# Altium PCB HTBBMSALL4G.PcbDoc (part 1 of 4)
Units mm, origin at the board's own origin, x right, y up, seen from the top; angles counter-clockwise.
Board outline 80.2 x 36.15 mm, 4 copper layers (Top Layer, SIG02, SIG03, Bottom Layer), stack 0.603 mm thick; 186 components, 121 nets, 547 pads, 871 vias.
Unrouted connection lines stored in the file: 10.
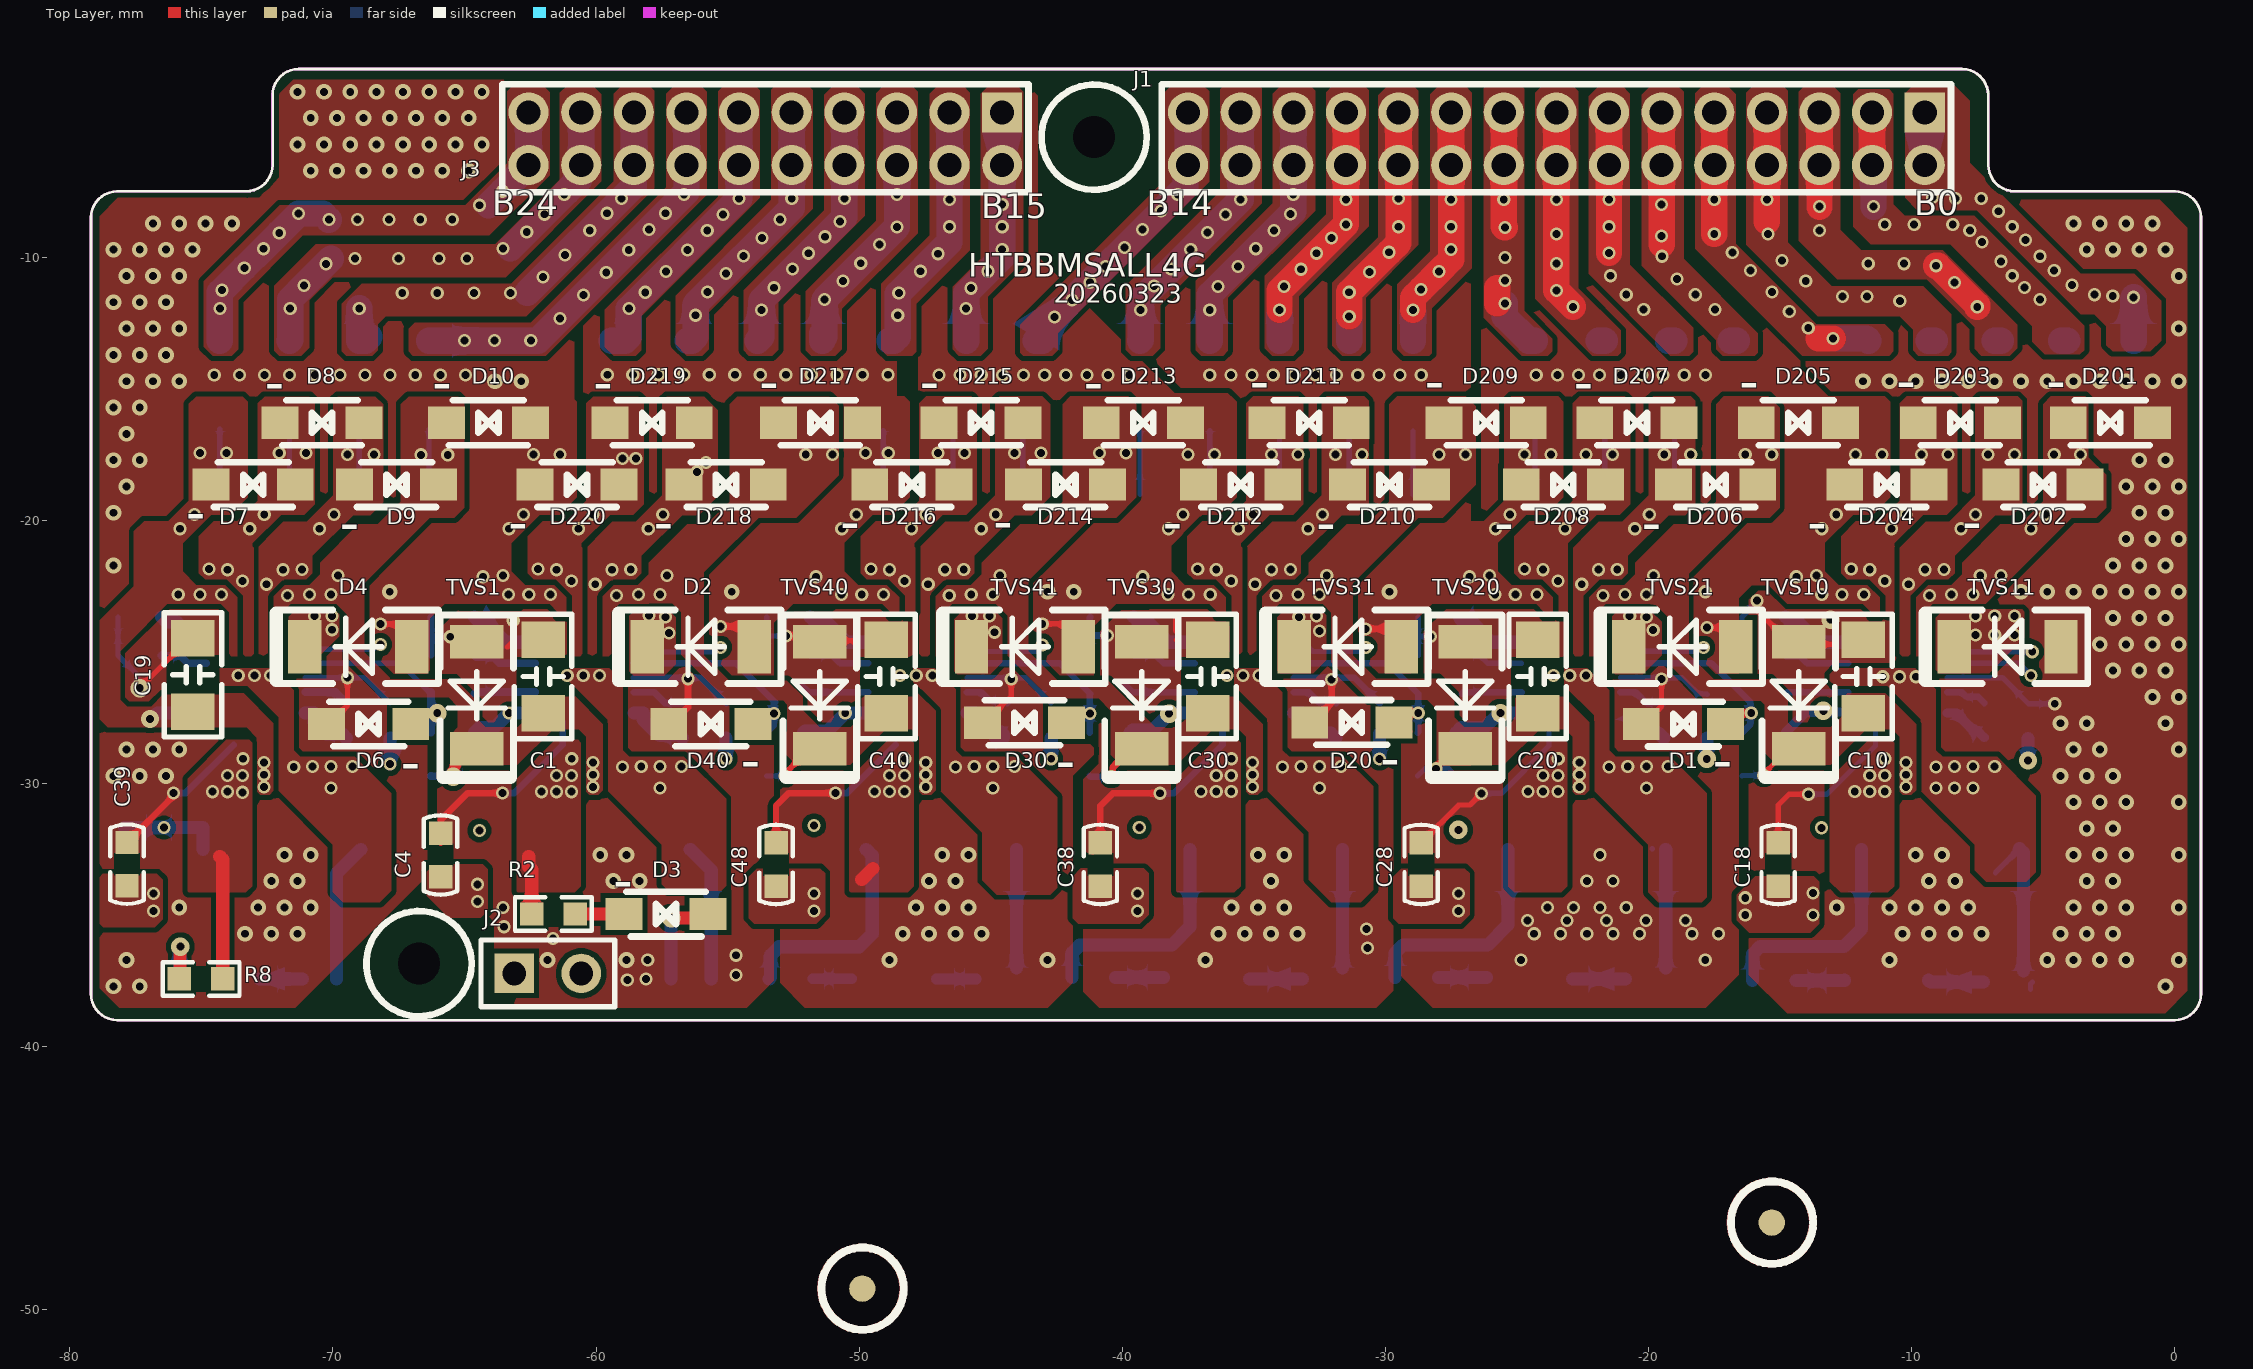
[diagram p0: Top Layer view]
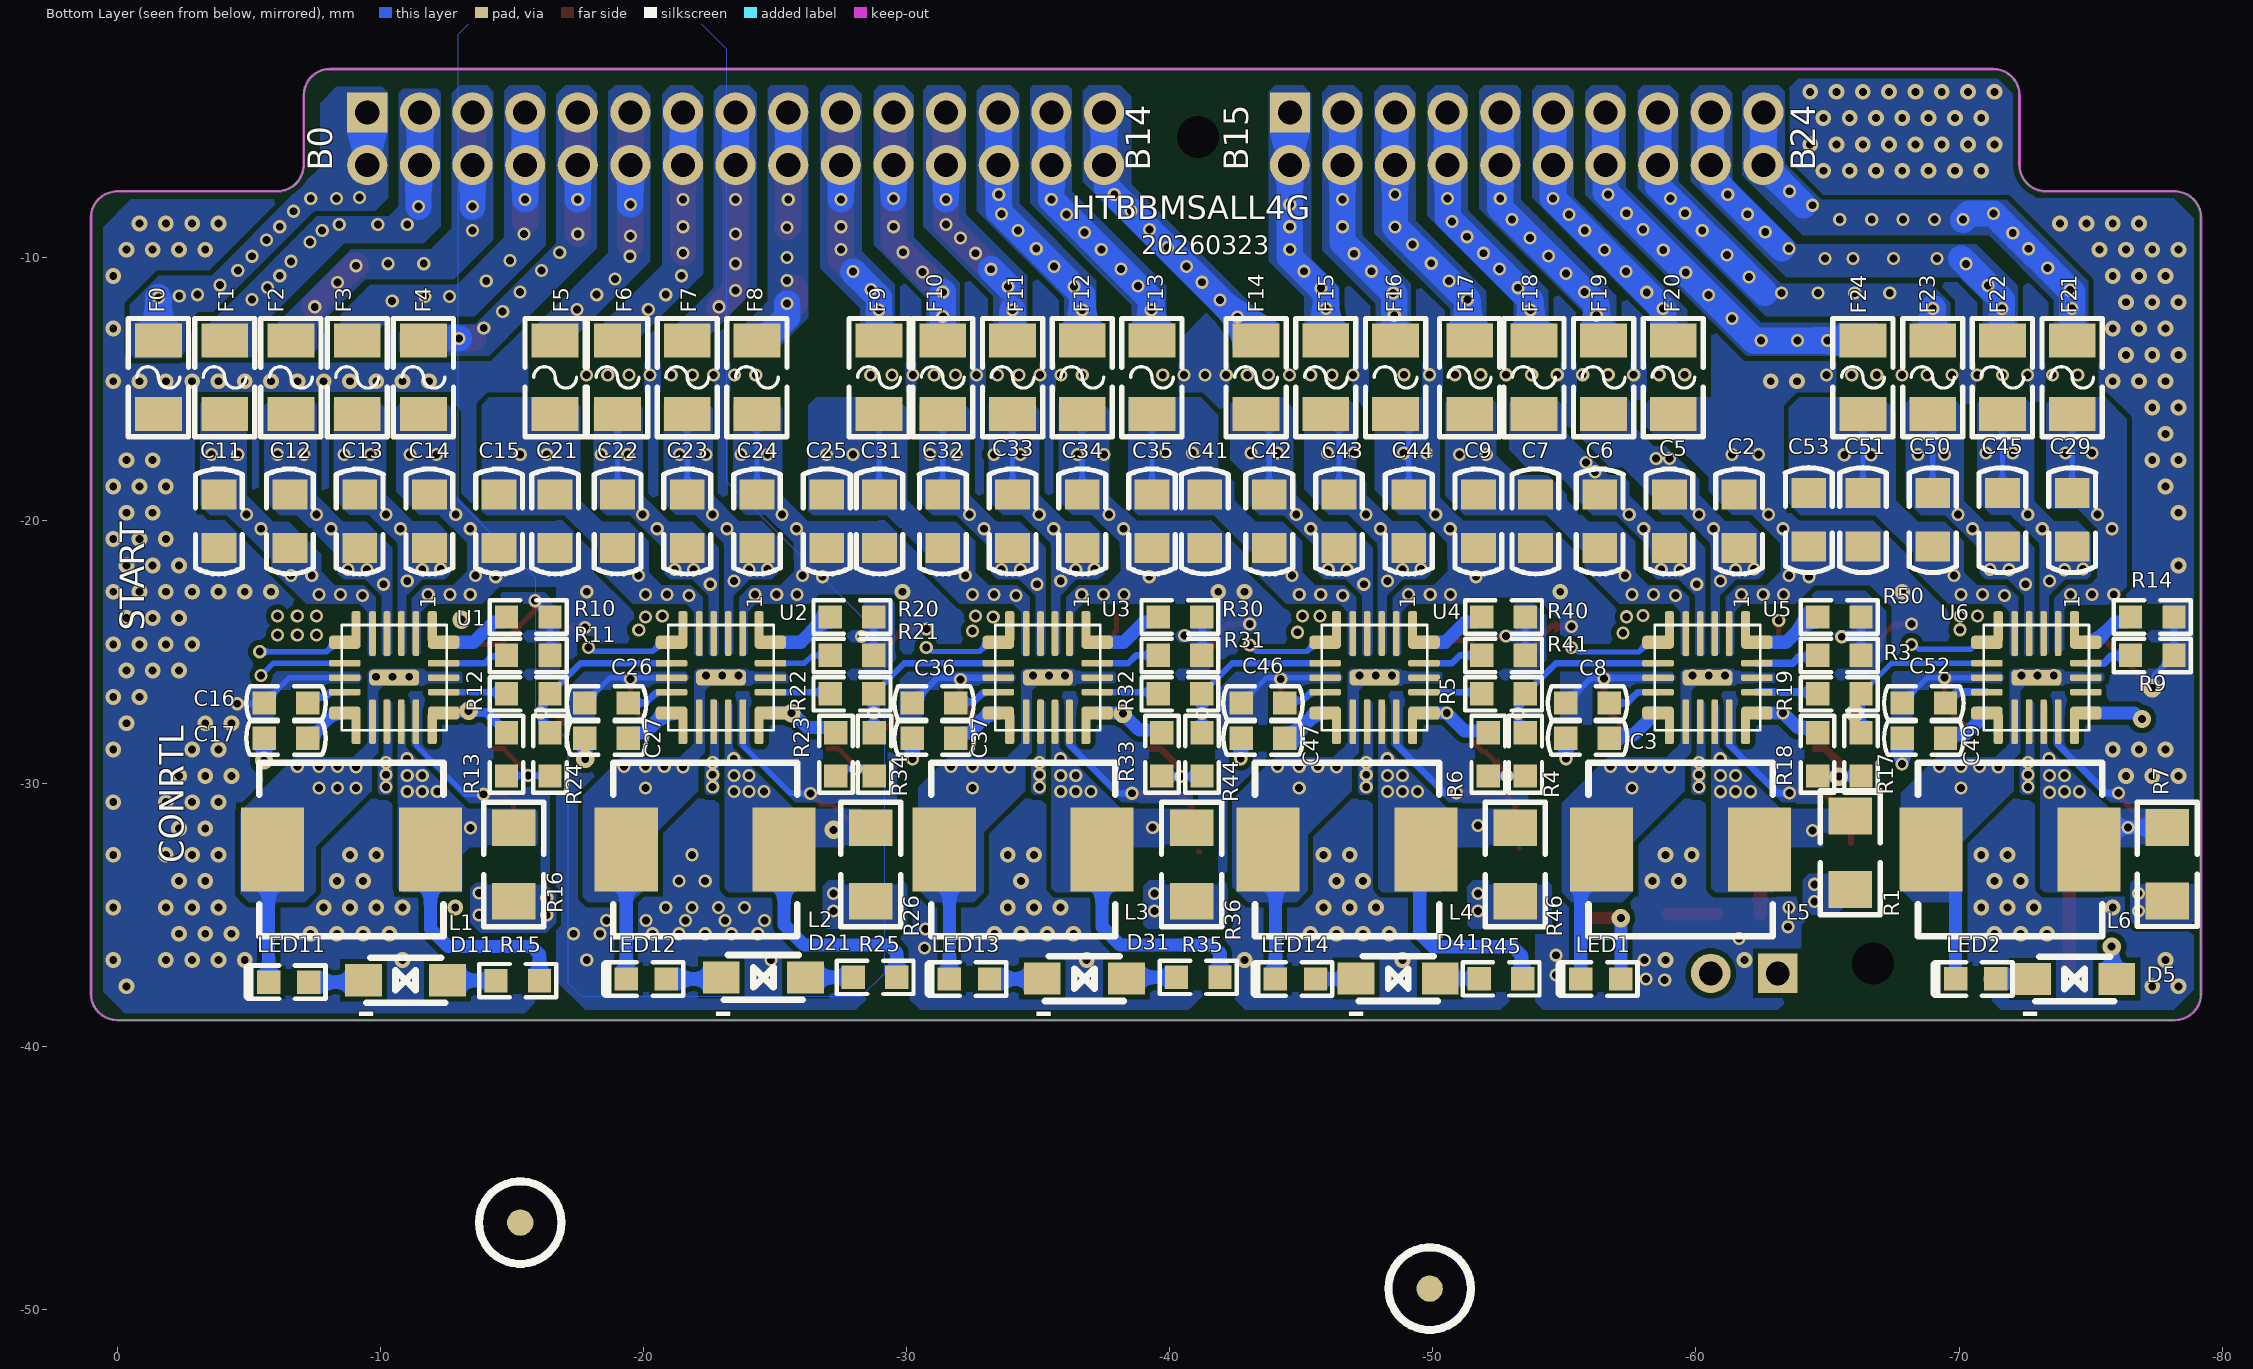
[diagram p1: Bottom Layer view, seen from below]
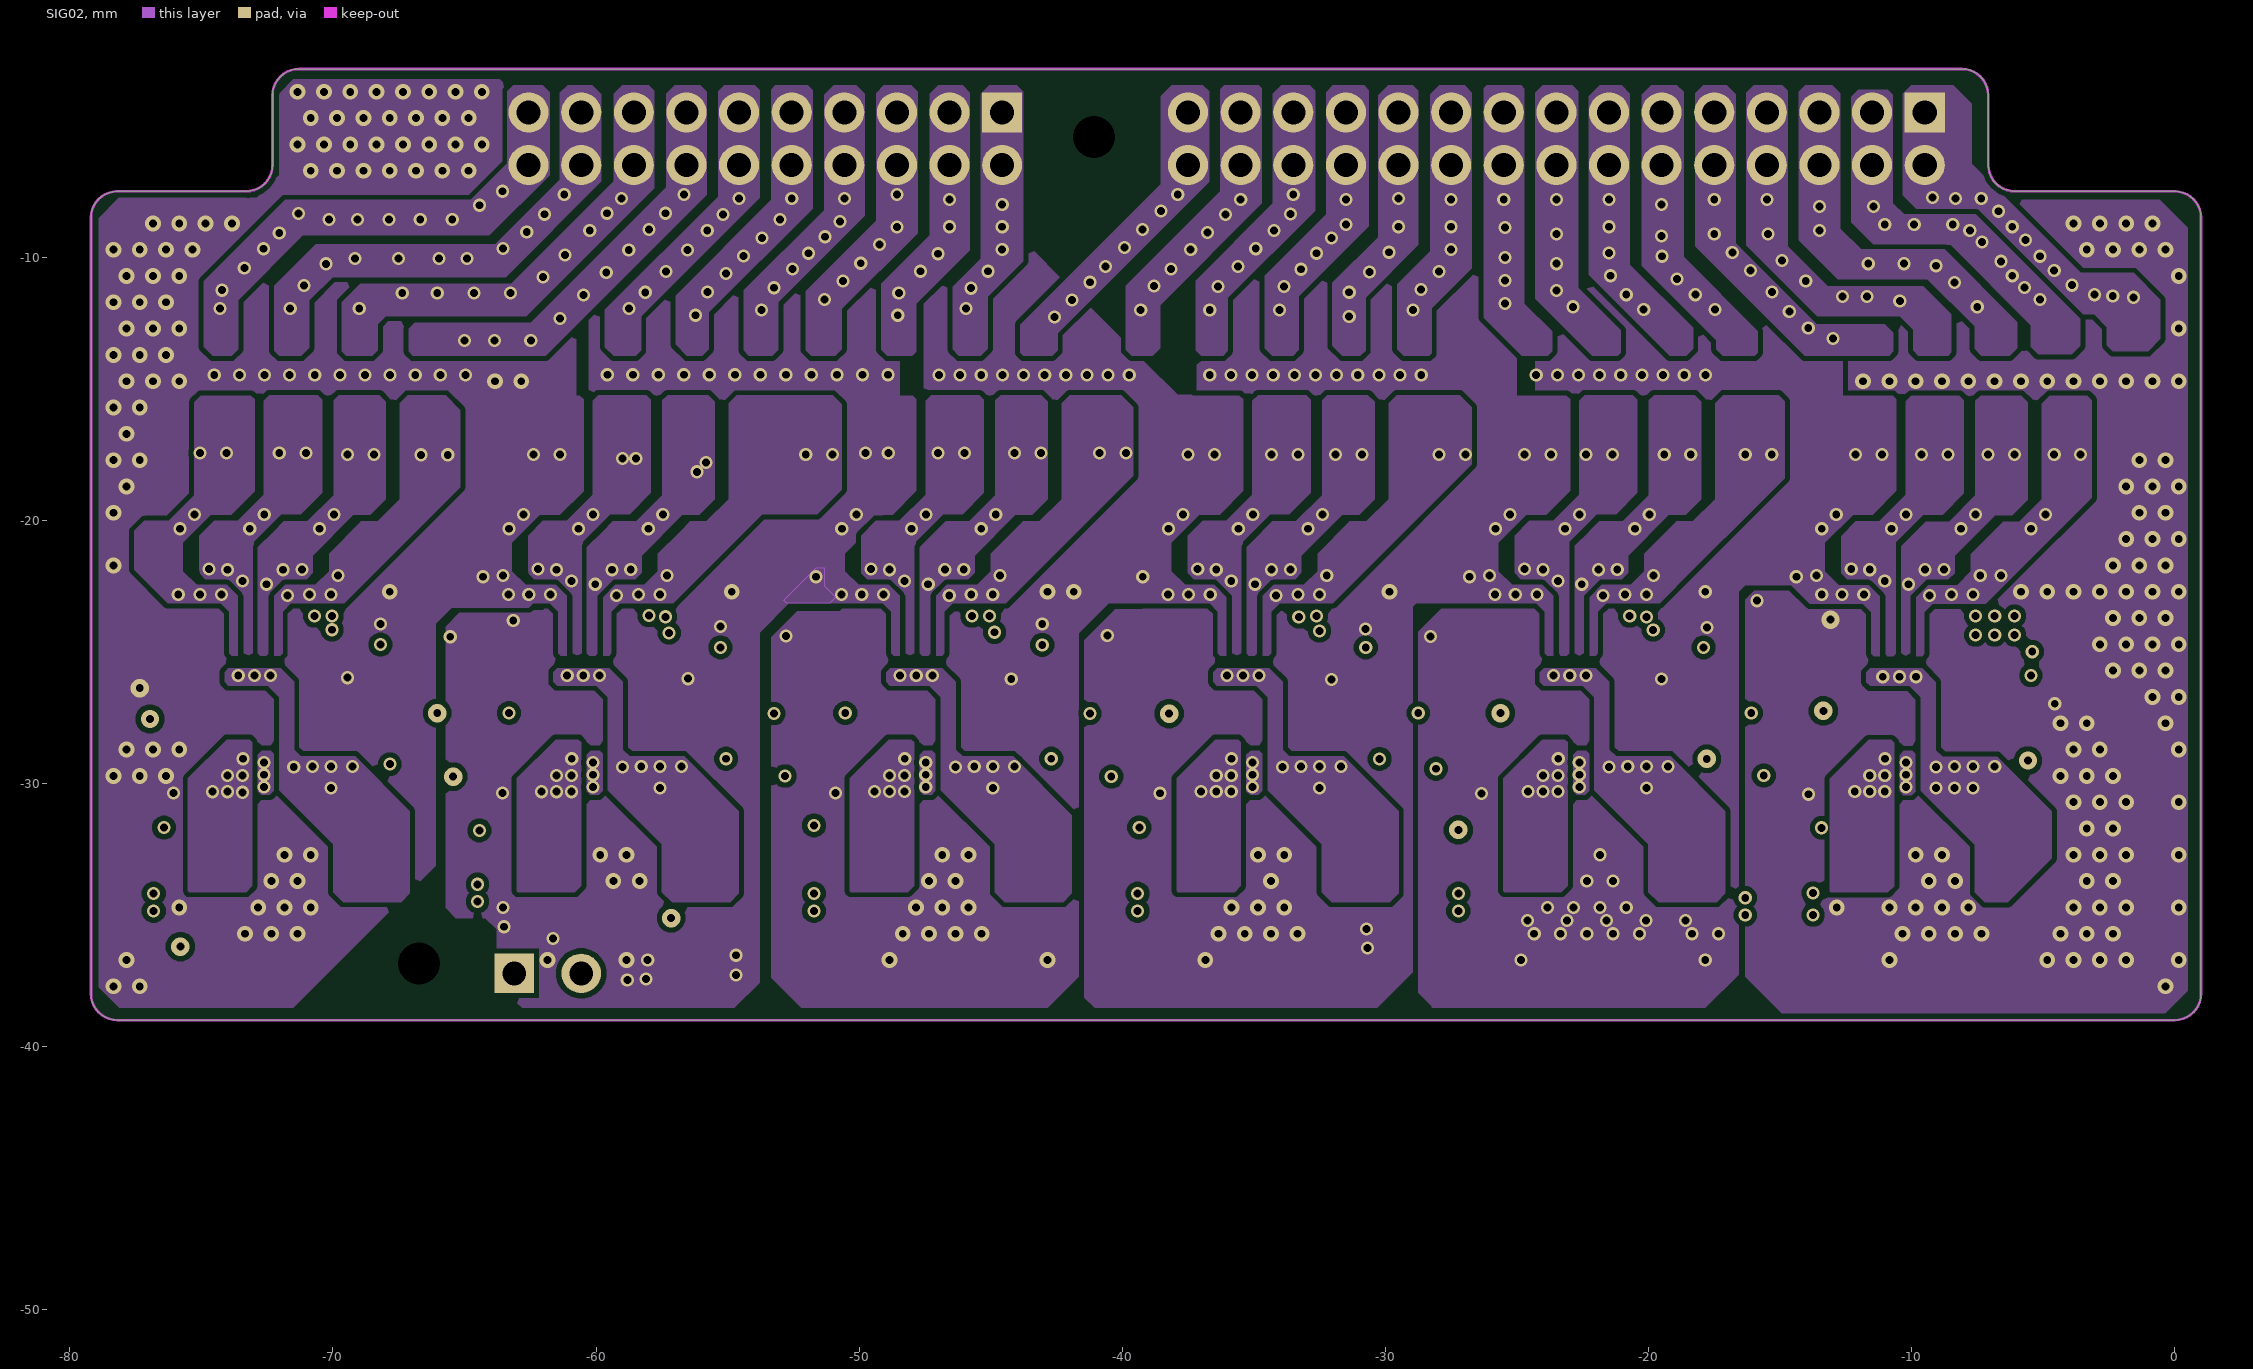
[diagram p2: SIG02]
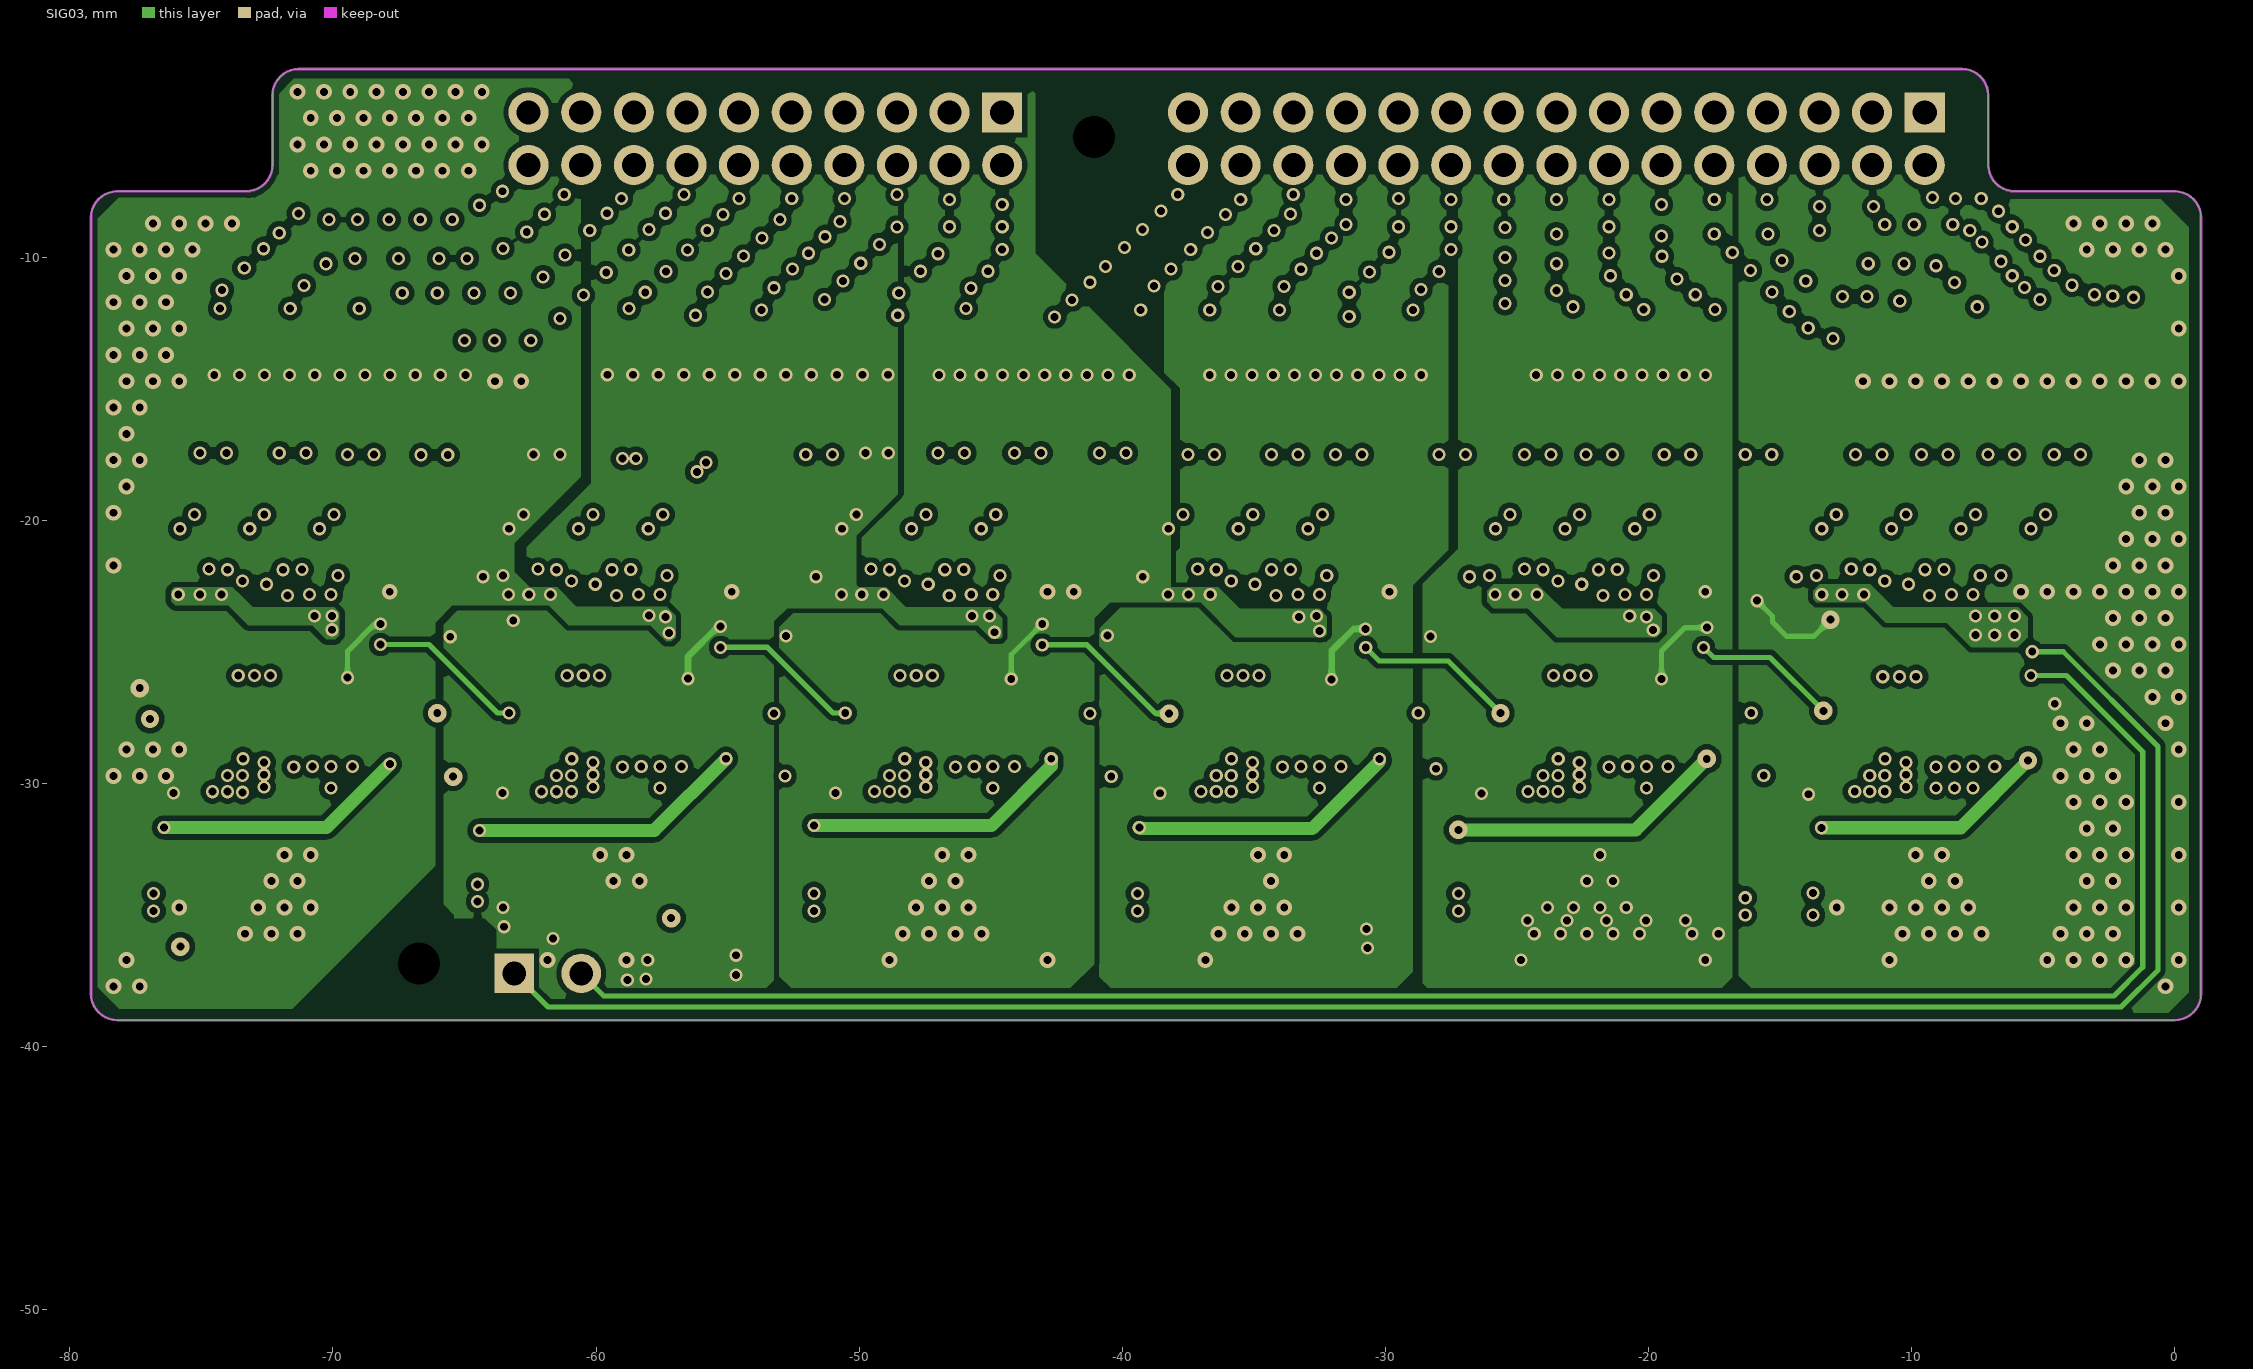
[diagram p3: SIG03]
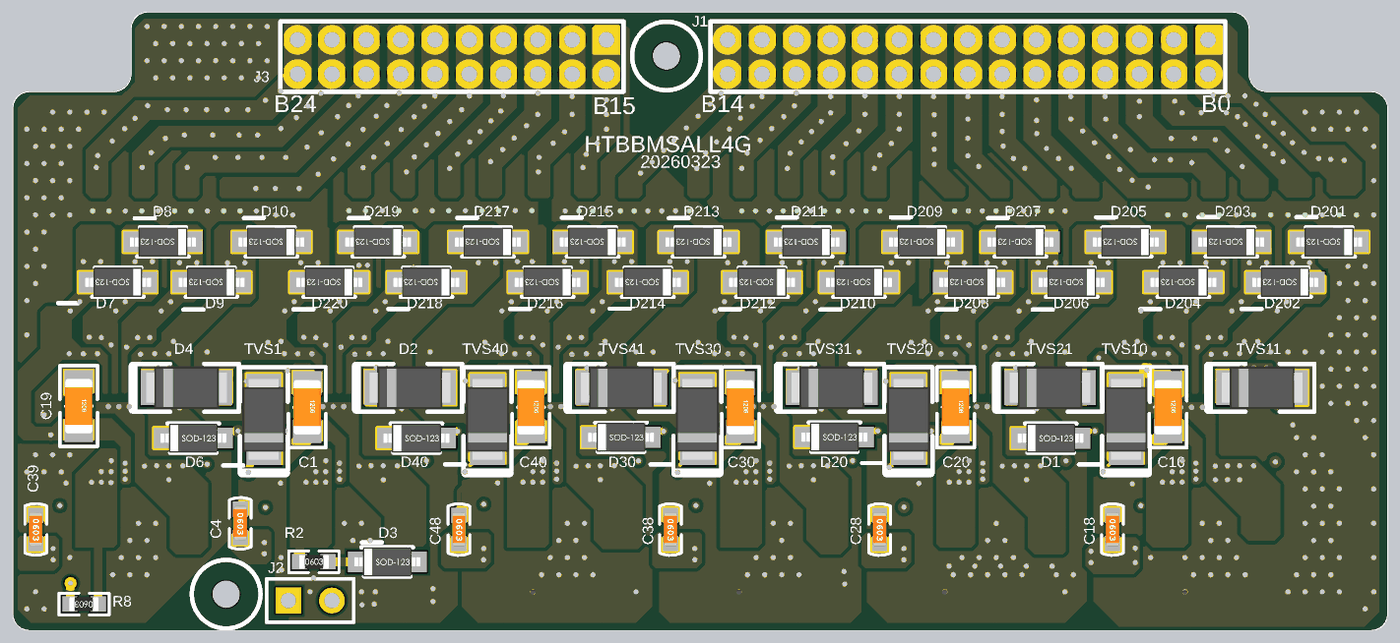
[diagram p7: 3D render of the assembled board from above, using the file's embedded part models]
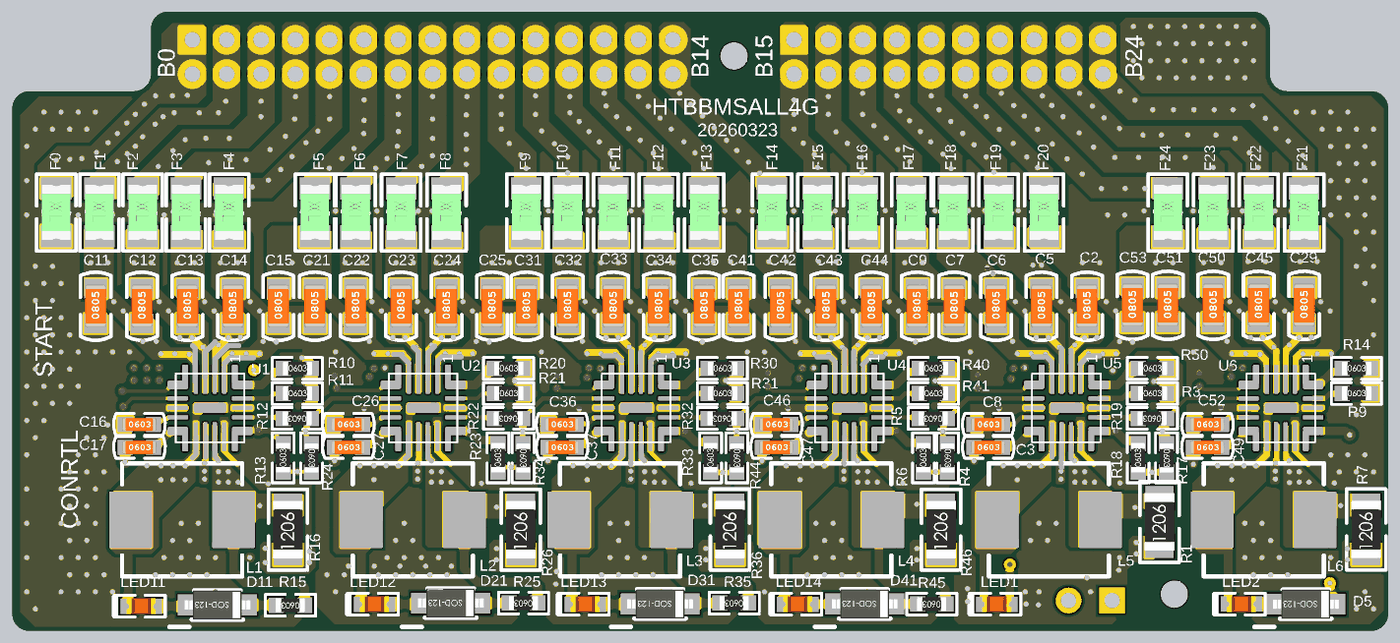
[diagram p8: 3D render of the assembled board from below, using the file's embedded part models]

## Layer stack, top to bottom
Top Solder: solder mask 0.0102, Solder Resist, Dk 3.5
Top Layer: signal copper 0.0356
Dielectric 2: prepreg 0.0711, PP-006, Dk 4.1
SIG02: signal copper 0.035
Dielectric 1: dielectric 0.32, FR-4, Dk 4.8
SIG03: signal copper 0.035
Dielectric 3: prepreg 0.0711, PP-006, Dk 4.1
Bottom Layer: signal copper 0.0356
Bottom Solder: solder mask 0.0102, Solder Resist, Dk 3.5

## Board outline
-79.197,-38 ccw(c-78.197,-38) -78.197,-39 0,-39 ccw(c0,-38) 1,-38 1,-8.5 ccw(c-0.002,-8.5) -0.002,-7.498 -6.083,-7.498 cw(c-6.083,-6.496) -7.085,-6.496 -7.085,-3.851 ccw(c-8.085,-3.851) -8.085,-2.851 -71.297,-2.851 ccw(c-71.297,-3.851) -72.297,-3.851 -72.297,-6.496 cw(c-73.299,-6.496) -73.299,-7.498 -78.195,-7.498 ccw(c-78.195,-8.5) -79.197,-8.5

## Design rules (kind name [scope] priority, off if disabled: settings)
Clearance [All] p1: gap=0.2 ignorepadtopadclearanceinfootprint=FALSE
HoleToHoleClearance [All] p1: gap=0.1 allowstackedmicrovias=TRUE
MinimumSolderMaskSliver [All] p1: minsoldermaskwidth=0
PolygonConnect [All] p1: connectstyle=Direct reliefconductorwidth=0.254 reliefentries=4 polygonreliefangle="90 Angle" airgapwidth=0.254
RoutingVias [All] p1: holewidth=0.3 width=0.7 viastyle="Through Hole" minholewidth=0.3 minwidth=0.7 maxholewidth=0.3 maxwidth=0.7
SilkToSilkClearance [All] p1: silktosilkclearance=0
SilkToSolderMaskClearance [IsPad] p1: minsilkscreentomaskgap=0 clearancetoexposedcopper=TRUE
SolderMaskExpansion [All] p1: expansion=0.102 istentingtop=FALSE
SupplyNets "Schematic Supply Nets_24" [InNet('N22')] p1: voltage=0.000
SupplyNets "Schematic Supply Nets_23" [InNet('N23')] p2: voltage=0.000
SupplyNets "Schematic Supply Nets_22" [InNet('N21')] p3: voltage=0.000
SupplyNets "Schematic Supply Nets_21" [InNet('N24')] p4: voltage=0.000
SupplyNets "Schematic Supply Nets_20" [InNet('N17')] p5: voltage=0.000
SupplyNets "Schematic Supply Nets_19" [InNet('N10')] p6: voltage=0.000
SupplyNets "Schematic Supply Nets_18" [InNet('N8')] p7: voltage=0.000
SupplyNets "Schematic Supply Nets_17" [InNet('N11')] p8: voltage=0.000
SupplyNets "Schematic Supply Nets_16" [InNet('N19')] p9: voltage=0.000
SupplyNets "Schematic Supply Nets_15" [InNet('N6')] p10: voltage=0.000
SupplyNets "Schematic Supply Nets_14" [InNet('N18')] p11: voltage=0.000
SupplyNets "Schematic Supply Nets_13" [InNet('N1')] p12: voltage=0.000
SupplyNets "Schematic Supply Nets_12" [InNet('N2')] p13: voltage=0.000
SupplyNets "Schematic Supply Nets_11" [InNet('N4')] p14: voltage=0.000
SupplyNets "Schematic Supply Nets_10" [InNet('N13')] p15: voltage=0.000
SupplyNets "Schematic Supply Nets_9" [InNet('N7')] p16: voltage=0.000
SupplyNets "Schematic Supply Nets_8" [InNet('N12')] p17: voltage=0.000
SupplyNets "Schematic Supply Nets_7" [InNet('N3')] p18: voltage=0.000
SupplyNets "Schematic Supply Nets_6" [InNet('N20')] p19: voltage=0.000
SupplyNets "Schematic Supply Nets_5" [InNet('N15')] p20: voltage=0.000
SupplyNets "Schematic Supply Nets_4" [InNet('N16')] p21: voltage=0.000
SupplyNets "Schematic Supply Nets_3" [InNet('N9')] p22: voltage=0.000
SupplyNets "Schematic Supply Nets_2" [InNet('N14')] p23: voltage=0.000
SupplyNets "Schematic Supply Nets_1" [InNet('GND')] p24: voltage=0.000
SupplyNets "Schematic Supply Nets" [InNet('N5')] p25: voltage=0.000
Width [All] p1: maxlimit=3 minlimit=0.2 preferedwidth=0.254
26 further rules are at their usual default settings.
